# KiCad board sofle_nest.kicad_pcb (continued)
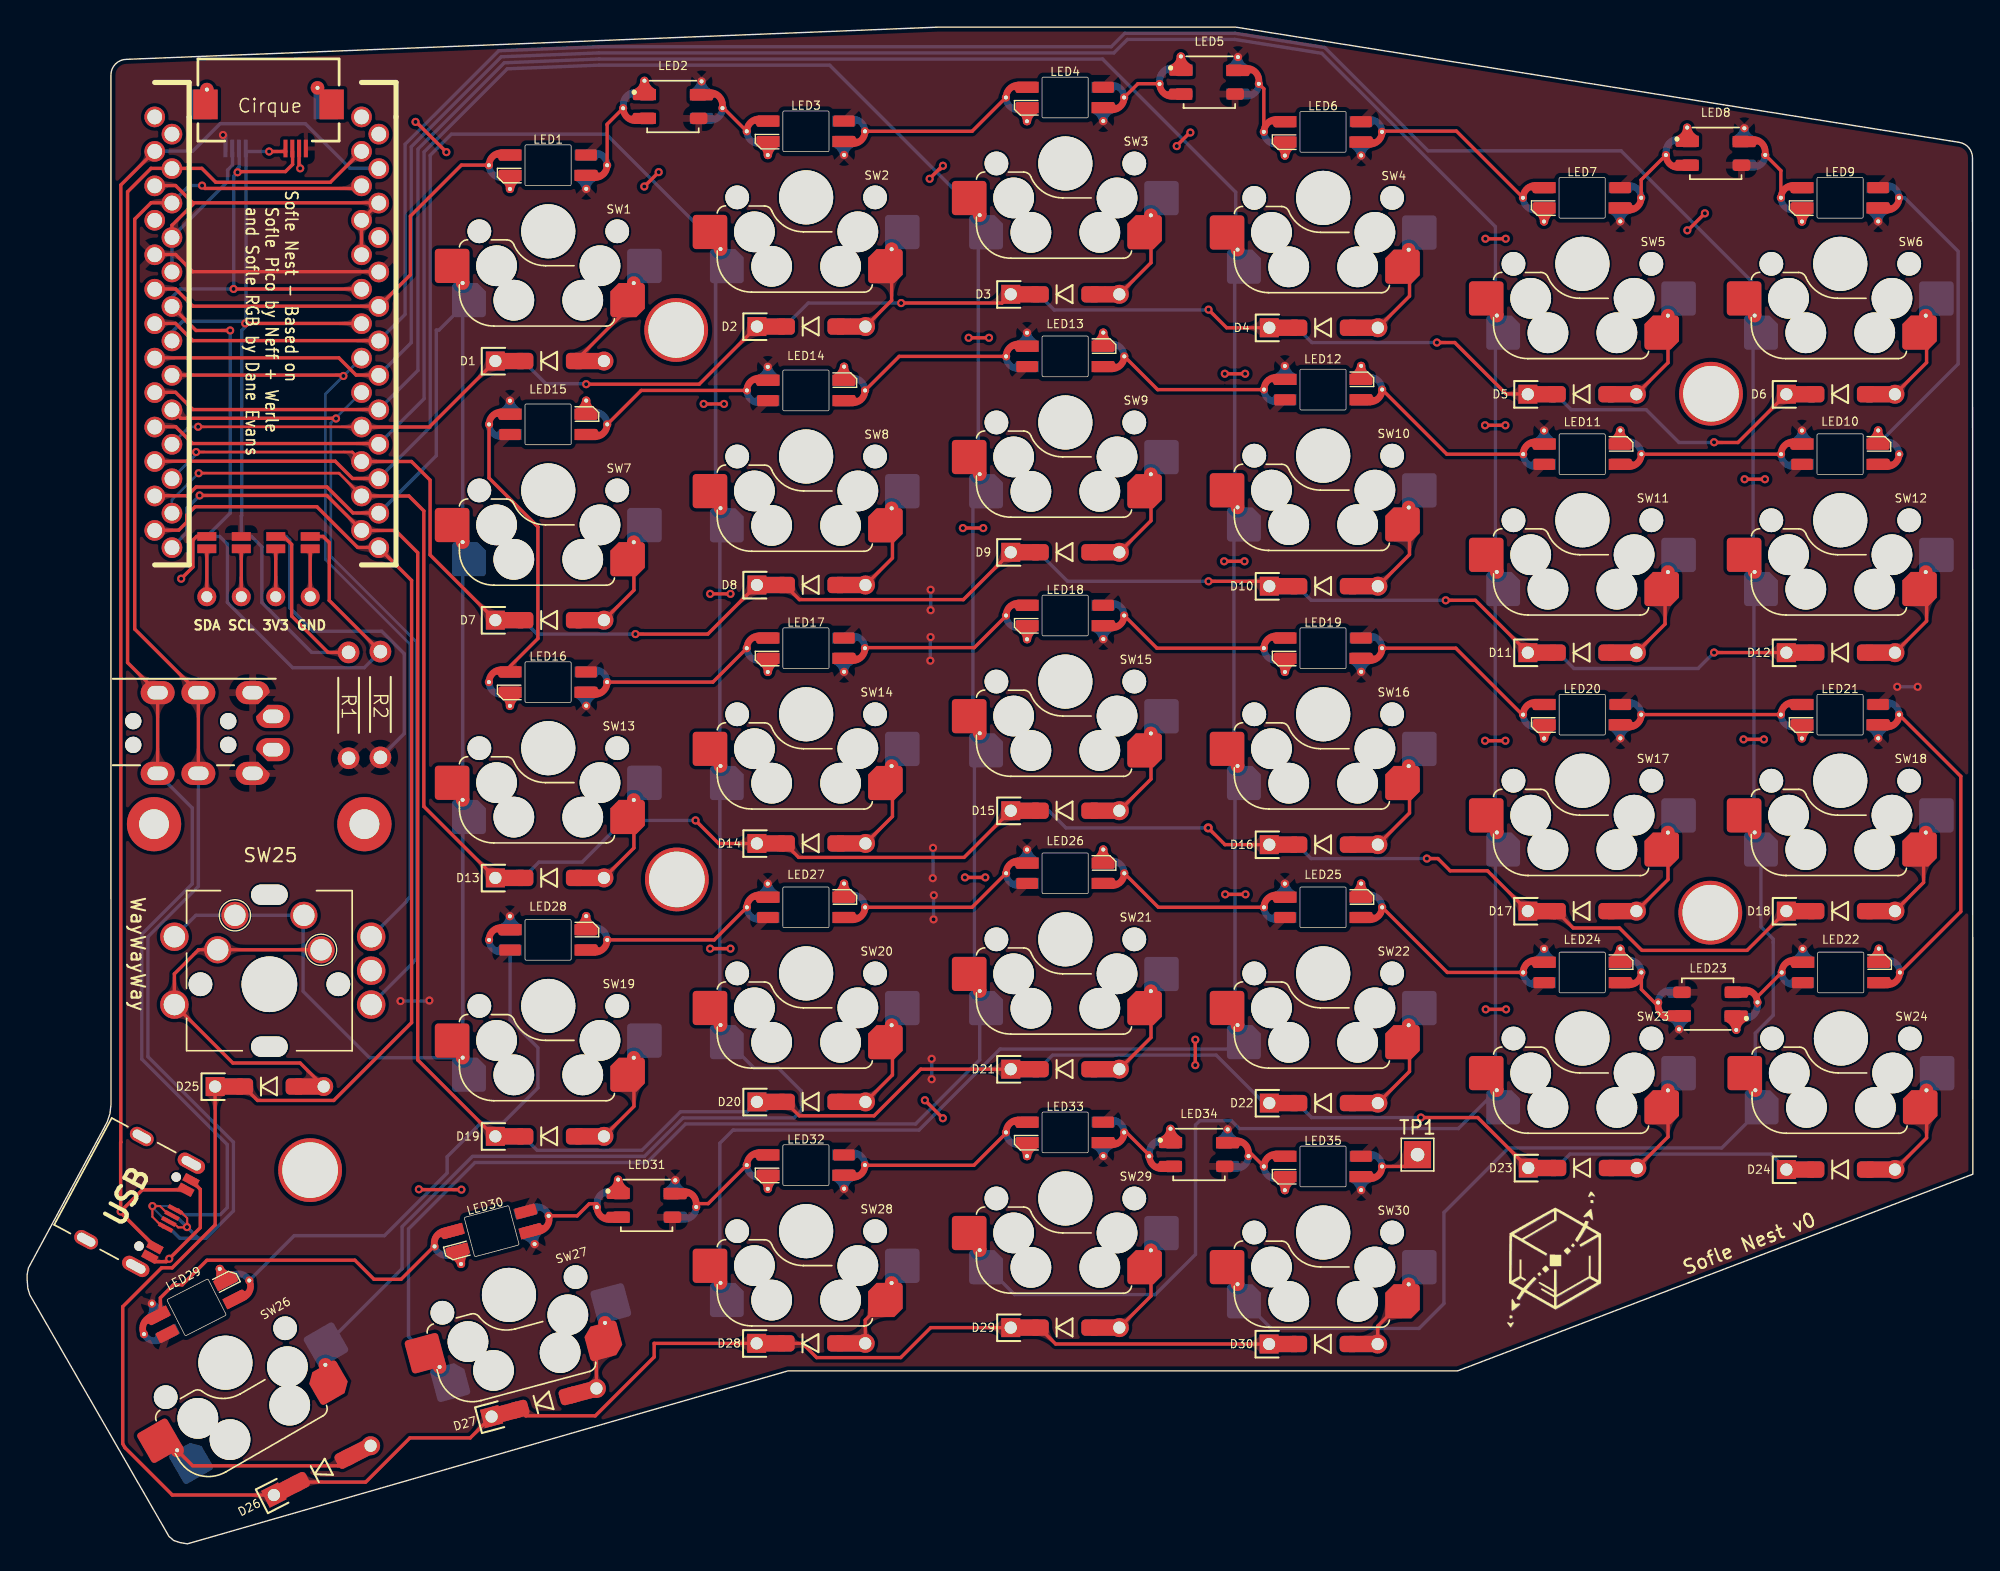
[diagram p0: board, top side]
## Footprints (pads in the part's own frame, mm; a bottom-side part is the same pattern mirrored in y, then rotated)
Cherry_MX_DS_Hotswap_v3.5.4
  round 1.75 hole 1.75 unplated: (-5.08,0) (5.08,0)
  round 3 hole 3 unplated: (-3.81,2.54) (-2.54,5.08) (2.54,5.08) (3.81,2.54)
  round 3.988 hole 3.988 unplated: (0,0)
  rrect 2.55x2.52 smd far side: 1(-7.085,2.55) 2(5.842,5.07)
  round 1 hole 0.3: 1(-6.31,3.81) 2(6.3,3.82)
  rrect 2.5x2.52 smd: 1(-5.842,5.07)
  rrect 2.55x2.53 smd: 2(7.085,2.555)
D_SOD-123_DO-35_Hybrid_DoubleSided_V2
  rect 1.4x1.4 hole 0.9: 1(-4,0)
  rect 1.6x1.2 smd far side: 1(-2.75,0)
  rect 1.6x1.2 smd: 1(-2.7,0)
  rrect 1.5x1.2 smd: 1(-1.95,0)
  rrect 1.4x1.2 smd far side: 1(-1.9,0) 2(1.9,0)
  rrect 1.4x1.2 smd: 2(1.9,0)
  rect 2.12x1.2 smd: 2(2.96,0)
  rect 2.14x1.2 smd far side: 2(2.97,0)
  round 1.4 hole 0.9: 2(4,0)
GCT_FFC2B35-12-G_REVA2
  rect 0.3x1.3 smd: 1(-2.75,3.25) 2(-2.25,3.25) 3(-1.75,3.25) 4(-1.25,3.25)
  rect 0.3x1.3 smd far side: 1(3.18,3.25) 2(2.68,3.25) 3(2.18,3.25) 4(1.68,3.25)
  rect 1.8x2.2 smd: SH1(-4.65,0) SH1(4.65,0)
  rect 1.8x2.2 smd far side: SH1(-4.22,0) SH1(5.08,0)
  round 1 hole 0.3: SH1(-4.115,-1.092) SH1(4.039,-1.219)
Hole from sofle for M2 posts gold rimmer
  round 4.7 hole 4.1: (0,0)
kb2040_compact
  round 1.524 hole 1.092: 1(-6.35,12.7) 1(7.62,13.97) 2(-6.35,10.16) 2(7.62,11.43) 3(-6.35,7.62) 3(7.62,8.89) 4(-6.35,5.08) 4(7.62,6.35) 5(-6.35,2.54) 5(7.62,3.81) 6(-6.35,0) 6(7.62,1.27) 7(-6.35,-2.54) 7(7.62,-1.27) 8(-6.35,-5.08) 8(7.62,-3.81) 9(-6.35,-7.62) 9(7.62,-6.35) 10(-6.35,-10.16) 10(7.62,-8.89) 11(-6.35,-12.7) 11(7.62,-11.43) 12(-6.35,-15.24) 12(7.62,-13.97) 13(-6.35,-17.78) 13(7.62,-16.51) 14(-7.62,13.97) 14(8.89,12.7) 15(-7.62,11.43) 15(8.89,10.16) 16(-7.62,8.89) 16(8.89,7.62) 17(-7.62,6.35) 17(8.89,5.08) 18(-7.62,3.81) 18(8.89,2.54) 19(-7.62,1.27) 19(8.89,0) 20(-7.62,-1.27) 20(8.89,-2.54) 21(-7.62,-3.81) 21(8.89,-5.08) 22(-7.62,-6.35) 22(8.89,-7.62) 23(-7.62,-8.89) 23(8.89,-10.16) 24(-7.62,-11.43) 24(8.89,-12.7) 25(-7.62,-13.97) 25(8.89,-15.24) 26(-7.62,-16.51) 26(8.89,-17.78)
M2_HOLE_PCB
  round 4 hole 2.2: (0,0)
MJ-4PP-9
  round 1.2 hole 1.2 unplated: (-1.75,-1.5) (-1.75,-8.5) (0,-1.5) (0,-8.5)
  rrect 1.7x2.5 hole 1x1.5: 1(-2.1,-11.8) 1(0.35,-11.8) 2(-3.85,-10.3) 2(2.1,-10.3)
  oval 1.7x2.5 hole 1x1.5: 3(-3.85,-6.3) 3(2.1,-6.3) 4(-3.85,-3.3) 4(2.1,-3.3)
OLED Header
  rect 1.397x0.635 smd far side: 1(-3.81,4.445) 2(-1.27,4.445) 3(1.27,4.445) 4(3.81,4.445) 5(3.81,3.531) 6(1.27,3.531) 7(-1.27,3.531) 8(-3.81,3.531)
  rect 1.397x0.635 smd: 1(3.81,4.445) 2(1.27,4.445) 3(-1.27,4.445) 4(-3.81,4.445) 5(3.81,3.531) 6(1.27,3.531) 7(-1.27,3.531) 8(-3.81,3.531)
  round 1.397 hole 0.813: 5(3.81,0) 6(1.27,0) 7(-1.27,0) 8(-3.81,0)
PHOENIX_1332645
  round 0.7 hole 0.7 unplated: (1.58,6.25) (7.36,6.25)
  rect 0.6x1.14 smd: A1_B12(1.27,7.32) A4_B9(2.07,7.32) B1_A12(7.67,7.32) B4_A9(6.87,7.32)
  rect 0.6x1.14 smd far side: A1_B12(7.67,7.32) A4_B9(6.87,7.32) B1_A12(1.27,7.32) B4_A9(2.07,7.32)
  rect 0.3x1.14 smd: A6(4.22,7.32) A7(4.72,7.32) B6(5.22,7.32) B7(3.72,7.32)
  rect 0.3x1.14 smd far side: A6(4.72,7.32) A7(4.22,7.32) B6(3.72,7.32) B7(5.22,7.32)
  oval 1.05x2.15 hole 0.65x1.55: SH1(0.15,6.75) SH3(8.79,6.75)
  oval 1.05x1.85 hole 0.65x1.45: SH2(0.15,2.6) SH4(8.79,2.6)
Pullup Resistor
  round 1.6 hole 1: 1(3.81,0) 2(-3.99,0)
RotaryEncoder_Alps_EC11E-Switch_Vertical_H20mm-keebio_modified_hotswap
  round 1.75 hole 1.75 unplated: (-5.08,1) (5.08,1)
  oval 2.7x1.5 hole 2.7x1.5 unplated: (0,5.6) (0,-5.6)
  round 4.1 hole 4.1 unplated: (0,1)
  round 2.1 hole 1.575: A(-7.5,2.5) B(-7.5,-2.5) C(-7.5,0) S1(7,-2.5) S2(7,2.5)
  round 2 hole 1.575: S1(-2.54,-4.08) S1(2.54,-4.08) S2(-3.81,-1.54) S2(3.81,-1.54)
SK6812_MINI
  round 0.6 hole 0.3: 1(-2.1,-1.9) 2(-3.67,0.13) 3(2.11,-1.85) 4(3.65,0.12)
  custom 1.7x1.71 smd far side: 1(-2.1,-0.88)
  rrect 1.3x0.85 smd far side: 1(-1.9,-0.875) 2(-1.9,0.875) 3(1.9,0.875) 4(1.9,-0.875)
  rrect 1.3x0.85 smd: 1(-1.9,0.875) 2(-1.9,-0.875) 3(1.9,-0.875) 4(1.9,0.875)
  custom 2.65x1.41 smd far side: 2(-2.11,0.88) 4(2.1,-0.86)
  custom 2.65x1.41 smd: 2(-2.1,-0.88) 4(2.1,0.87)
  custom 2.66x1.41 smd: 2(-2.1,-0.88)
  custom 1.7x1.71 smd: 3(2.1,-0.86)
SK6812_MINI-E
  custom 1.7x1.71 smd far side: 1(2.8,-0.75)
  rrect 1.6x0.82 smd far side: 1(2.8,-0.75) 2(2.8,0.75) 3(-2.8,0.75) 4(-2.8,-0.75)
  rrect 1.6x0.82 smd: 1(2.8,0.75) 2(2.8,-0.75) 3(-2.8,-0.75) 4(-2.8,0.75)
  round 0.6 hole 0.3: 1(2.81,-1.75) 2(4.36,0) 3(-2.81,-1.74) 4(-4.35,0)
  custom 2.65x1.41 smd: 2(2.8,-0.75) 4(-2.8,0.75)
  custom 2.65x1.41 smd far side: 2(2.8,0.75) 4(-2.8,-0.75)
  custom 1.7x1.71 smd: 3(-2.8,-0.75)
SK6812_MINI-E#2
  custom 1.7x1.71 smd far side: 1(2.8,-0.75)
  rrect 1.6x0.82 smd far side: 1(2.8,-0.75) 2(2.8,0.75) 3(-2.8,0.75) 4(-2.8,-0.75)
  rrect 1.6x0.82 smd: 1(2.8,0.75) 2(2.8,-0.75) 3(-2.8,-0.75) 4(-2.8,0.75)
  round 0.6 hole 0.3: 1(2.81,-1.75) 2(4.36,0) 3(-2.81,-1.74) 4(-4.35,0)
  custom 2.65x1.41 smd: 2(2.8,-0.75) 4(-2.8,0.75)
  custom 2.65x1.41 smd far side: 2(2.8,0.75) 4(-2.8,-0.75)
  custom 1.7x1.71 smd: 3(-2.8,-0.75)
TestPoint_THTPad_2.0x2.0mm_Drill1.0mm
  rect 2x2 hole 1: 1(0,0)

## Nets
GND: J1.1 J2.A1_B12 J2.B1_A12 J2.SH1 J2.SH2 J2.SH3 J2.SH4 J3.4 J4.2 J4.SH1 LED1.1 LED2.1 LED3.1 LED4.1 LED5.1 LED6.1 LED7.1 LED8.1 LED9.1 LED10.1 LED11.1 LED12.1 LED13.1 LED14.1 LED15.1 LED16.1 LED17.1 LED18.1 LED19.1 LED20.1 LED21.1 LED22.1 LED23.1 LED24.1 LED25.1 LED26.1 LED27.1 LED28.1 LED29.1 LED30.1 LED31.1 LED32.1 LED33.1 LED34.1 LED35.1 SW25.C U2.4 U2.5 U2.16
VBUS: J2.A4_B9 J2.B4_A9 U2.15
VCC: J1.2 J3.3 J4.1 LED1.3 LED2.3 LED3.3 LED4.3 LED5.3 LED6.3 LED7.3 LED8.3 LED9.3 LED10.3 LED11.3 LED12.3 LED13.3 LED14.3 LED15.3 LED16.3 LED17.3 LED18.3 LED19.3 LED20.3 LED21.3 LED22.3 LED23.3 LED24.3 LED25.3 LED26.3 LED27.3 LED28.3 LED29.3 LED30.3 LED31.3 LED32.3 LED33.3 LED34.3 LED35.3 R1.1 R2.1 U2.18
col0: SW6.1 SW12.1 SW18.1 SW24.1 SW30.1 U2.20
col1: SW5.1 SW11.1 SW17.1 SW23.1 SW29.1 U2.21
col2: SW4.1 SW10.1 SW16.1 SW22.1 SW28.1 U2.22
col3: SW3.1 SW9.1 SW15.1 SW21.1 SW27.1 U2.23
col4: SW2.1 SW8.1 SW14.1 SW20.1 SW26.2 U2.24
col5: SW1.1 SW7.1 SW13.1 SW19.1 SW25.S1 U2.25
ENCA: SW25.A U2.9
ENCB: SW25.B U2.8
LED: LED1.2 U2.19
row0: D1.1 D2.1 D3.1 D4.1 D5.1 D6.1 U2.10
row1: D7.1 D8.1 D9.1 D10.1 D11.1 D12.1 U2.11
row2: D13.1 D14.1 D15.1 D16.1 D17.1 D18.1 U2.12
row3: D19.1 D20.1 D21.1 D22.1 D23.1 D24.1 U2.13
row4: D25.1 D26.1 D27.1 D28.1 D29.1 D30.1 U2.26
RX: J1.3 J2.A7 J2.B7 U2.3
SCL: J3.2 J4.4 R1.2 U2.7
SDA: J3.1 J4.3 R2.2 U2.6
SW25B: D25.2 SW25.S2
TX: J1.4 J2.A6 J2.B6 U2.2
Net-(D1-A): D1.2 SW1.2
Net-(D2-A): D2.2 SW2.2
Net-(D3-A): D3.2 SW3.2
Net-(D4-A): D4.2 SW4.2
Net-(D5-A): D5.2 SW5.2
Net-(D6-A): D6.2 SW6.2
Net-(D7-A): D7.2 SW7.2
Net-(D8-A): D8.2 SW8.2
Net-(D9-A): D9.2 SW9.2
Net-(D10-A): D10.2 SW10.2
Net-(D11-A): D11.2 SW11.2
Net-(D12-A): D12.2 SW12.2
Net-(D13-A): D13.2 SW13.2
Net-(D14-A): D14.2 SW14.2
Net-(D15-A): D15.2 SW15.2
Net-(D16-A): D16.2 SW16.2
Net-(D17-A): D17.2 SW17.2
Net-(D18-A): D18.2 SW18.2
Net-(D19-A): D19.2 SW19.2
Net-(D20-A): D20.2 SW20.2
Net-(D21-A): D21.2 SW21.2
Net-(D22-A): D22.2 SW22.2
Net-(D23-A): D23.2 SW23.2
Net-(D24-A): D24.2 SW24.2
Net-(D26-A): D26.2 SW26.1
Net-(D27-A): D27.2 SW27.2
Net-(D28-A): D28.2 SW28.2
Net-(D29-A): D29.2 SW29.2
Net-(D30-A): D30.2 SW30.2
Net-(LED1-DOUT): LED1.4 LED2.2
Net-(LED2-DOUT): LED2.4 LED3.2
Net-(LED3-DOUT): LED3.4 LED4.2
Net-(LED4-DOUT): LED4.4 LED5.2
Net-(LED5-DOUT): LED5.4 LED6.2
Net-(LED6-DOUT): LED6.4 LED7.2
Net-(LED7-DOUT): LED7.4 LED8.2
Net-(LED8-DOUT): LED8.4 LED9.2
Net-(LED10-DIN): LED9.4 LED10.2
Net-(LED10-DOUT): LED10.4 LED11.2
Net-(LED11-DOUT): LED11.4 LED12.2
Net-(LED12-DOUT): LED12.4 LED13.2
Net-(LED13-DOUT): LED13.4 LED14.2
Net-(LED14-DOUT): LED14.4 LED15.2
Net-(LED15-DOUT): LED15.4 LED16.2
Net-(LED16-DOUT): LED16.4 LED17.2
Net-(LED17-DOUT): LED17.4 LED18.2
Net-(LED18-DOUT): LED18.4 LED19.2
Net-(LED19-DOUT): LED19.4 LED20.2
Net-(LED20-DOUT): LED20.4 LED21.2
Net-(LED21-DOUT): LED21.4 LED22.2
Net-(LED22-DOUT): LED22.4 LED23.2
Net-(LED23-DOUT): LED23.4 LED24.2
Net-(LED24-DOUT): LED24.4 LED25.2
Net-(LED25-DOUT): LED25.4 LED26.2
Net-(LED26-DOUT): LED26.4 LED27.2
Net-(LED27-DOUT): LED27.4 LED28.2
Net-(LED28-DOUT): LED28.4 LED29.2
Net-(LED29-DOUT): LED29.4 LED30.2
Net-(LED30-DOUT): LED30.4 LED31.2
Net-(LED31-DOUT): LED31.4 LED32.2
Net-(LED32-DOUT): LED32.4 LED33.2
Net-(LED33-DOUT): LED33.4 LED34.2
Net-(LED34-DOUT): LED34.4 LED35.2
Net-(LED35-DOUT): LED35.4 TP1.1

Pads without a net: J3 5 6 7 8; U2 1 14 17

## Via types
v1: diameter 0.6, hole 0.3, Top to Bottom, 91 vias
v2: diameter 0.67, hole 0.3, Top to Bottom, 1 via

## Routing (per net, layer and track width the routed paths; a pad name or vN(x,y) marks a point on that pad's centre or on a via; arc(x,y) is an arc through that point)
GND: length 88.7
  Top w0.15: 20.04,101.59 arc(20.06,101.48) v1(20.12,101.39)
  Top w0.25: v1(70.88,88.9) v1(69.38,88.9) ; v1(46.54,101.11) v1(45.47,100.05) ; v1(108.92,59.2) v1(107.42,59.2) ; v1(28.86,26.14) 28.89,26.11 v1(32,26.11) ; v1(123.62,98.08) 122.45,96.9 122.41,96.9 v1(122.33,96.82) ; v1(84.71,103.03) 84.71,103.06 85.68,104.03 v1(85.71,104.03) ; v1(89.75,86.25) v1(88.25,86.25) ; 10.67,96.31 10.67,97.19 12.21,98.73 12.21,98.85 ; 24.64,95.04 24.64,97.58 25.91,98.85 12.21,98.85 ; v1(28.62,104.81) 28.66,104.81 v1(30.89,102.58) 30.84,102.58 ; v1(108.97,39.4) v1(107.47,39.4) ; v1(126.47,59.3) v1(127.97,59.3) ; v1(66.5,100.62) 66.5,100.63 67.45,101.58 v1(67.48,101.58) 67.48,101.54 67.24,101.3 67.21,101.3 ; 9.22,21.02 9.44,20.8 10.25,20.8 v1(10.47,21.02) 12.76,23.31 12.76,26.11 12.76,26.12 arc(12.76,26.13) 12.75,26.14 12.11,26.78 ; J4.2 20.04,101.59 ; v1(67.47,31.38) v1(66.15,32.7) ; v1(51.82,70.03) v1(50.32,70.03) ; 12.21,98.85 10.94,100.12 9.4,100.12 ; v1(68.95,74.88) v1(70.45,74.88) ; v1(108.92,82.45) v1(107.42,82.45) ; v1(128.05,78.47) v1(126.55,78.47) ; v1(51.82,43.88) v1(50.32,43.88) ; v1(89.7,72.42) v1(88.2,72.42) ; v1(70.6,49.12) v1(69.1,49.12) ; v1(51.35,84.03) v1(49.85,84.03) ; v1(108.95,96.2) v1(107.45,96.2) ; J3.4 12.49,74.26 12.21,73.99 12.21,72 v1(11.35,71.14) ; v1(86.07,35.29) v1(86.07,37.16) ; v1(89.78,47.88) v1(88.28,47.88)
  Bottom w0.25: 15.13,102.63 15.13,101.63 14.77,101.27 14.77,100.41 10.67,96.31 10.67,93.77
VBUS: length 116.2
  Top w0.25: v1(6.89,24.5) 6.89,24.43 9.42,21.9 ; v1(6.89,24.5) 8.49,26.1 11.69,26.1 ; v1(6.89,24.5) 6.89,29.59 6.9,29.6 6.9,100.16 9.4,102.66
  Bottom w0.25: 9.4,102.66 12.2,102.66 14.22,104.68 20.5,104.68 23.79,101.39 25.91,101.39 ; 11.72,26.1 8.49,26.1 v1(6.89,24.5) 6.89,24.43 9.44,21.88
VCC: length 55.2
  Top w0.25: 25.91,93.77 12.21,93.77 10.94,95.04 9.4,95.04
  Bottom w0.25: v1(66.57,70.33) v1(66.57,68.82) ; v1(66.75,51.3) 66.75,49.09 v1(66.73,49.07) ; R2.1 27.79,59.73 27.79,65.61 26.12,67.27 21.08,67.27 19.34,69.01 19.34,73.99 19.07,74.26 J3.3 ; v1(137.8,63.17) v1(139.3,63.17) ; v1(66.79,46.03) 66.79,47.79 v1(66.81,47.81) ; 14.63,102.63 14.63,103.83 14.61,103.85 v1(14.43,103.85) ; v1(66.65,34.25) v1(66.65,35.75) ; v1(66.57,66.84) 66.55,66.82 v1(66.55,65.1) ; v1(27.51,40.01) 29.6,40.01 v1(29.64,40.05)
col0: length 248.1
  Top w0.25: 25.91,88.69 12.21,88.69 10.94,89.96 9.4,89.96
  Bottom w0.25: SW18.1 127.76,45.48 128.66,44.58 128.66,44.36 128.66,44.36 128.66,38.97 127.34,37.65 SW24.1 ; SW30.1 91.66,15.88 102.56,15.88 104.4,17.72 104.4,24.43 109.15,29.18 124.86,29.18 127.34,31.66 127.34,33.39 ; 127.34,90.54 127.34,92.79 117.45,102.68 103.23,102.68 95.62,110.29 89.02,111.34 80.87,111.34 79.88,110.35 42.12,110.35 34.74,110.06 27.85,103.16 27.85,90.63 25.91,88.69 ; 127.18,88.65 127.18,71.65 ; 127.24,69.66 127.24,52.54
col1: length 237.1
  Top w0.25: 25.91,86.15 24.24,86.15 22.97,87.42 9.4,87.42
  Bottom w0.25: 25.91,86.15 28.3,88.54 28.3,102.97 34.94,109.61 42.13,109.9 80.08,109.9 81.07,110.89 88.99,110.89 95.4,109.87 108.19,97.08 108.19,90.64 ; SW23.1 105.46,30.61 89.31,30.61 88.73,31.19 86.4,31.19 86.09,30.88 86.09,21.34 83.12,18.38 72.76,18.38 70.66,20.48 ; 108.19,90.44 108.19,71.59 ; 108.17,71.38 108.17,52.56 ; 108.19,52.34 108.19,33.49
col2: length 215.7
  Top w0.25: 9.4,84.88 10.94,84.88 12.21,83.61 25.91,83.61
  Bottom w0.25: 25.91,83.61 28.8,86.5 28.8,102.81 35.16,109.17 42.14,109.45 79.24,109.45 89.05,99.64 89.05,95.63 ; 88.91,36.47 71.69,36.47 65.71,30.5 52.01,30.5 51.04,29.53 51.04,19.34 ; 89.24,57.34 88.92,57.66 88.92,76.08 89.24,76.39 ; 89,38.53 89,57.1 ; 88.97,76.66 88.97,95.17
col3: length 209.6
  Top w0.25: 9.4,82.34 10.96,82.34 12.19,81.11 25.87,81.11
  Bottom w0.25: SW3.1 59.13,109 42.15,109 35.38,108.73 29.25,102.6 29.25,84.41 25.91,81.07 ; 30.34,13.04 28.1,15.28 28.1,23.21 33,28.11 45.67,28.11 48.51,30.95 65.46,30.95 70.19,35.68 70.19,40.79 ; 70.19,78.89 69.69,78.39 69.69,60.34 70.19,59.84 69.8,59.45 69.8,40.13 ; 70.09,78.99 70.09,97.84
col4: length 197.5
  Top w0.25: 9.4,79.8 22.7,79.8 23.97,78.53 25.91,78.53
  Bottom w0.25: 51.61,37.03 53.57,35.06 55.36,35.06 57.05,33.38 57.05,31.95 56.5,31.4 48.32,31.4 45.49,28.56 32.81,28.56 27.63,23.38 27.63,20.29 SW26.2 ; 51.04,37.34 51.04,57.24 ; 50.72,76.71 50.72,95.07 SW2.1 ; 50.72,76.71 50.72,93.35 ; 50.72,76.71 SW8.1 ; 51.14,38.29 51.14,36.72 ; 50.62,94.92 51.14,95.44 42.67,103.91 31.26,103.91 29.7,102.35 29.7,82.32 25.91,78.53 ; 51.04,57.44 51.04,76.29
col5: length 143.6
  Top w0.25: 25.91,75.99 24.01,75.99 22.09,77.91 12.45,77.91 11.8,77.26 9.42,77.26 ; 30.82,94.21 SW1.1
  Bottom w0.25: SW13.1 SW19.1 ; SW13.1 SW7.1 SW1.1 ; SW13.1 32.09,35.83 25.23,35.83 20.33,40.73 20.33,46.27 ; SW25.S1 12.43,46.33 SW25.S1 SW25.S1 ; U2.25 30.15,80.21 30.15,89.47 30.35,89.47 SW1.1
ENCA: length 62.4
  Top w0.25: 10.67,83.61 11.31,82.97 22.74,82.97 v1(22.76,82.95)
  Bottom w0.2: 28.69,66.48 22.37,72.79 22.37,82.61 24.64,84.88
  Bottom w0.25: 28.43,42.87 28.69,43.13 28.69,66.48 ; SW25.A 28.43,42.83
ENCB: length 60.1
  Top w0.25: 10.67,86.15 23.24,86.15 23.26,86.13
  Bottom w0.2: 24.64,87.42 v1(23.3,86.09) 21.97,84.75 21.97,72.56 28.24,66.29
  Bottom w0.25: 28.24,66.29 28.24,47.71 27.98,47.45 ; SW25.B 27.97,47.37
LED: length 32
  Top w0.25: 9.4,92.5 10.94,92.5 12.21,91.23 25.91,91.23 ; U2.19 28.24,93.54 28.24,97.87 32,101.63 34.02,101.63
row0: length 120.7
  Top w0.2: 24.64,82.34 v1(12.6,82.34)
  Top w0.25: D3.1 71.83,91.46 v1(64.4,91.46) ; D1.1 29.63,82.32 U2.10 ; v1(103.88,88.55) 105.19,88.55 108.98,84.76 110.56,84.76 ; v1(124.3,81.2) 124.32,81.18 126.06,81.18 129.62,84.74 ; v1(41.19,85.48) 49.52,85.48 D2.1 ; D4.1 88.38,89.64 v1(87.05,90.97)
  Bottom w0.2: 10.67,81.07 11.94,82.34 v1(12.6,82.34)
  Bottom w0.25: v1(87.05,90.97) 87.03,90.95 75.68,90.95 D3.1 ; D5.1 113.77,83.6 119.3,83.6 121.72,81.18 124.28,81.18 v1(124.3,81.2) ; D1.1 38.22,85.52 41.15,85.52 v1(41.19,85.48) ; v1(103.88,88.55) 94.67,88.55 D4.1 ; v1(64.4,91.46) 57.55,91.46 D2.1
row1: length 127.4
  Top w0.2: v1(12.45,80.48) 23.96,80.48 24.64,79.8
  Top w0.25: D9.1 68.99,69.6 56.9,69.6 D8.1 ; v1(44.82,67.06) 50.16,67.06 D8.1 ; D11.1 106.72,69.55 v1(104.53,69.55) ; U2.11 28.32,79.78 29.69,78.41 29.69,72.9 D7.1 ; v1(124.3,65.7) 129.62,65.7 ; v1(87.05,70.95) 91.17,70.95
  Bottom w0.2: 10.67,78.53 12.45,80.31 v1(12.45,80.48)
  Bottom w0.25: D10.1 94.62,69.55 v1(104.53,69.55) ; v1(44.82,67.06) 37.58,67.06 D7.1 ; D11.1 112.81,65.69 113.97,64.53 123.12,64.53 v1(124.3,65.7) ; D9.1 76.67,70.95 v1(87.05,70.95)
row2: length 145.3
  Top w0.2: v1(12.64,78.92) 22.98,78.92 24.64,77.26
  Top w0.25: D16.1 88.26,51.54 v2(87.03,52.78) ; U2.12 28.13,77.24 29.23,76.14 29.23,54.36 D13.1 ; D18.1 126.74,43.75 118.98,43.75 117.33,45.4 113.92,45.4 D17.1 ; D17.1 107.6,49.61 104.85,49.61 103.95,50.51 v1(103.14,50.51) ; D15.1 69.04,50.6 56.85,50.6 D14.1 ; v1(49.25,53.33) 50.95,51.62 53.77,51.62
  Bottom w0.2: 10.67,75.99 10.67,76.95 v1(12.64,78.92)
  Bottom w0.25: D15.1 75.28,54.04 76.54,52.78 v2(87.03,52.78) ; D13.1 37.71,50.25 40.9,50.25 43.97,53.33 v1(49.25,53.33) ; v1(103.14,50.51) 94.6,50.51 D16.1
row3: length 162.4
  Top w0.25: v1(12.71,77.28) 22.08,77.28 24.64,74.72 ; D23.1 106.89,31.42 v1(102.7,31.42) ; 34.41,30.04 28.78,35.67 28.78,73.06 27.14,74.7 U2.13 ; D20.1 56.9,31.55 62.4,31.55 65.84,34.99 D21.1
  Bottom w0.25: D19.1 37.57,29.01 45.3,29.01 48.14,31.85 53.04,31.85 D20.1 ; v1(102.7,31.42) 94.64,31.42 D22.1 ; 10.67,73.45 11.76,74.54 11.76,76.33 v1(12.71,77.28) ; D20.1 54.44,31.95 ; D23.1 113.69,28.73 128.49,28.73 D24.1 ; D21.1 75.56,36.03 87.61,36.03 91.15,32.49 ; 36.49,30.04 D19.1
row4: length 184
  Top w0.25: D25.1 16.98,32.68 22.59,32.68 28.33,38.42 28.33,71.01 U2.26 ; 25.91,73.45 24.35,73.45 21.35,76.45 12.38,76.45 11.76,75.83 11.76,75.31 11.17,74.72 9.4,74.72 ; D27.1 36.74,9.44 41.87,9.44 46.2,13.77 46.2,14.78 53.32,14.78 ; D26.1 10.7,3.6 7.21,7.09 7.04,7.39 7.04,17.48 9.91,20.35 10.69,20.35 13.85,23.51 D25.1 ; D29.1 75.79,14.73 D30.1 ; D28.1 57.13,14.78 58.18,13.73 64.37,13.73 66.58,15.94 D29.1 ; D26.1 24.94,4.55 28.2,7.81 32.65,7.81 D27.1
RX: length 107
  Top w0.15: 11.76,23.33 11.13,23.33 10.97,23.48 ; J2.B7 11.16,24.65 11.79,24.02 11.79,23.36 v1(11.78,23.35)
  Top w0.25: 24.43,99.91 13.1,99.91 v1(12.89,100.12) ; v1(11.78,23.35) 11.76,23.33 ; J1.3 J1.3 7.93,67.43 7.93,97.64 9.13,98.85 10.67,98.85
  Bottom w0.25: v1(12.89,100.12) 11.94,100.12 10.67,98.85 ; 11.21,23.92 v1(11.78,23.35) 12.61,22.52 ; 12.61,22.52 11.25,22.52 10.73,23.04 ; 12.61,22.52 13.18,22.52 15.2,24.54 15.2,29.61 8.9,35.91 8.9,44.74 12.62,48.46 J1.3
SCL: length 72.3
  Top w0.25: R1.2 22.17,65.71 19.49,68.39 19.49,73.67 18.9,74.26 J3.2 ; 24.64,89.96 v1(16.07,89.96) ; v1(17.83,102.63) 19.06,102.63
  Bottom w0.25: 10.67,88.69 10.67,89.33 11.45,90.11 15.92,90.11 v1(16.07,89.96) ; v1(16.07,89.96) 16.07,89.7 15.81,89.44 15.81,75.81 15.78,75.77 J3.2 16.53,74.26 17.29,73.5 17.29,69.39 20.97,65.71 R1.2 ; v1(16.07,89.96) 16.13,90.02 16.13,102.63 v1(17.83,102.63)
SDA: length 82.3
  Top w0.25: 24.64,92.5 v1(15.21,92.5) ; U2.6 12.44,89.44 v1(14.96,89.44) ; 19.56,102.63 19.56,101.68 19.03,101.15 15.55,101.15 v1(15.5,101.1) ; J3.1 21.81,74.26 22.26,73.81 22.26,69.54 R2.2
  Bottom w0.25: v1(14.96,89.44) 14.96,75.98 J3.1 14.19,74.26 14.75,73.69 14.75,69.39 19.56,64.58 24.84,64.58 R2.2 ; 10.67,91.23 10.67,91.88 11.29,92.5 v1(15.21,92.5) 15.22,92.51 15.22,100.81 v1(15.5,101.1) 15.5,101.37 15.63,101.49 15.63,102.63
SW25B: length 27.3
  Top w0.25: SW25.S2 SW25.S2 12.63,43.79 10.85,42.01 SW25.S2 15.16,35.44 20.12,35.44 D25.2
TX: length 110.1
  Top w0.15: 10.19,24.5 9.79,24.9 v1(9.23,24.9) 9.23,24.11 10.01,23.33 J2.B6
  Top w0.25: 24.64,102.66 22.34,100.36 13.9,100.36 12.87,101.39 9.13,101.39 7.4,99.66 7.4,64.96 J1.4 J1.4
  Bottom w0.15: 10.05,24 9.23,24.82 v1(9.23,24.9) 10.44,24.9 10.59,24.75
  Bottom w0.25: 9.39,24.94 9.23,24.78 9.23,24.78 v1(9.23,24.9) ; 11.44,24.36 11.54,24.27 14.23,24.27 14.75,24.79 14.75,29.43 8.45,35.73 8.45,44.93 12.17,48.65 12.17,54.24 J1.4
Net-(D1-A): length 7.5
  Top w0.25: SW1.2 44.7,91.49 D1.2
Net-(D2-A): length 6.5
  Top w0.25: SW2.2 63.7,91.66 D2.2
Net-(D3-A): length 6.8
  Top w0.25: 82.81,97.94 82.81,94.44 D3.2
Net-(D4-A): length 6.8
  Top w0.25: 101.86,95.44 101.86,91.97 D4.2
Net-(D5-A): length 6.8
  Top w0.25: D5.2 120.91,87.07 120.91,90.54
Net-(D6-A): length 6.8
  Top w0.25: 139.96,90.54 139.96,87.07 D6.2
Net-(D7-A): length 6.7
  Top w0.25: 44.71,73.89 44.71,70.3 D7.2
Net-(D8-A): length 6.5
  Top w0.25: 63.76,76.39 63.76,72.67 D8.2
Net-(D9-A): length 6.8
  Top w0.25: D9.2 82.81,75.42 82.81,78.89
Net-(D10-A): length 6.8
  Top w0.25: 101.86,76.39 101.86,72.92 D10.2
Net-(D11-A): length 5.4
  Top w0.25: 120.69,70.22 120.69,67.8 D11.2
Net-(D12-A): length 6.8
  Top w0.25: D12.2 139.96,68.02 139.96,71.49
Net-(D13-A): length 6.7
  Top w0.25: 44.71,54.84 44.71,51.3 D13.2
Net-(D14-A): length 6.5
  Top w0.25: D14.2 63.76,53.62 63.76,57.34
Net-(D15-A): length 6.8
  Top w0.25: 82.81,59.84 82.81,56.37 D15.2
Net-(D16-A): length 6.8
  Top w0.25: 101.86,57.34 101.86,53.87 D16.2
Net-(D17-A): length 6.8
  Top w0.25: D17.2 120.91,48.97 120.91,52.44
Net-(D18-A): length 5.4
  Top w0.25: D18.2 139.74,48.75 139.74,51.17
Net-(D19-A): length 6.7
  Top w0.25: D19.2 44.71,32.25 44.71,35.79
Net-(D20-A): length 6.5
  Top w0.25: D20.2 63.76,34.57 63.76,38.29
Net-(D21-A): length 6.8
  Top w0.25: D21.2 82.81,37.32 82.81,40.79
Net-(D22-A): length 6.8
  Top w0.25: 101.86,38.29 101.86,34.82 D22.2
Net-(D23-A): length 6.6
  Top w0.25: 120.91,33.39 120.91,30 D23.2
Net-(D24-A): length 6.8
  Top w0.25: 139.96,33.39 139.96,29.92 D24.2
Net-(D26-A): length 13.1
  Top w0.25: D26.2 22.92,5.76 12.19,5.76 SW26.1
Net-(D27-A): length 3.7
  Top w0.25: D27.2 41.95,14.45
  Bottom w0.25: 42.02,15.79 42.52,16.29
Net-(D28-A): length 4.5
  Top w0.25: 63.75,18.5 63.75,19.23 ; SW28.2 61.75,16.49 D28.2
Net-(D29-A): length 6.8
  Top w0.25: D29.2 82.81,18.27 82.81,21.74
Net-(D30-A): length 5.8
  Top w0.25: SW30.2 99.51,16.05 D30.2 ; 101.86,19.24 101.86,17.35
Net-(LED1-DOUT): length 4.7
  Top w0.25: 43.91,105.82 42.74,104.64 LED1.4
Net-(LED2-DOUT): length 2.5
  Top w0.25: LED3.2 51.32,105.83 51.23,105.83
Net-(LED3-DOUT): length 11.4
  Top w0.25: LED3.4 69.63,104.12 LED4.2
Net-(LED4-DOUT): length 3
  Top w0.25: LED4.4 81.85,107.63 83.42,107.63 LED5.2
Net-(LED5-DOUT): length 3.7
  Top w0.25: LED6.2 91.12,107.26 90.75,107.63
Net-(LED6-DOUT): length 12.4
  Top w0.25: 110.22,99.23 105.32,104.13 99.89,104.13
Net-(LED7-DOUT): length 3.9
  Top w0.25: LED7.4 118.93,100.54 LED8.2
Net-(LED8-DOUT): length 3.6
  Top w0.25: LED9.2 129.22,101.22 LED8.4
Net-(LED10-DIN): length 22.6
  Bottom w0.25: LED10.2 142.29,86.97 142.29,95.27 138.34,99.22 LED9.4
Net-(LED10-DOUT): length 10
  Top w0.25: 129.19,80.32 119.21,80.32
Net-(LED11-DOUT): length 12.4
  Top w0.25: LED11.4 104.6,80.32 LED12.2
Net-(LED12-DOUT): length 11.3
  Top w0.25: LED12.4 83.29,85.08 LED13.2
Net-(LED13-DOUT): length 11.4
  Top w0.25: LED14.2 64.25,87.53 LED13.4
Net-(LED14-DOUT): length 11.3
  Top w0.25: LED15.2 45.24,85.02 LED14.4
Net-(LED15-DOUT): length 20.2
  Top w0.25: LED15.4 34.03,78.56 37.64,74.96 37.64,66.73 35.59,64.68
Net-(LED16-DOUT): length 11.2
  Top w0.25: 52.92,65.92 50.52,63.52 LED16.4
Net-(LED17-DOUT): length 11.3
  Top w0.25: 61.77,66.06 69.79,66.06 72.13,68.4
Net-(LED18-DOUT): length 11.3
  Top w0.25: LED19.2 83.25,66.02 LED18.4
Net-(LED19-DOUT): length 12.4
  Top w0.25: 110.17,61.12 105.27,66.02 LED19.4
Net-(LED20-DOUT): length 10.3
  Top w0.25: 118.95,61.13 129.21,61.13
Net-(LED21-DOUT): length 22.7
  Top w0.25: LED21.4 142.48,56.57 142.48,46.61 LED22.2
Net-(LED22-DOUT): length 3.2
  Top w0.25: 127.48,39.66 127.48,40.32 LED22.4
Net-(LED23-DOUT): length 3
  Top w0.25: LED24.2 118.94,40.87 120.16,39.65
Net-(LED24-DOUT): length 12.4
  Top w0.25: LED24.4 104.64,42.12 LED25.2
Net-(LED25-DOUT): length 11.3
  Top w0.25: LED25.4 83.36,46.92 LED26.2
Net-(LED26-DOUT): length 11.4
  Top w0.25: LED26.4 69.63,46.92 LED27.2
Net-(LED27-DOUT): length 11.3
  Top w0.25: LED28.2 50.63,44.52 LED27.4
Net-(LED28-DOUT): length 38.9
  Bottom w0.25: LED29.2 19.68,22.72 26.33,22.72 30.95,27.34 30.95,28.54 33.47,31.06 35.09,31.06 37.64,33.61 37.64,36.58 35.58,38.63 LED28.4
Net-(LED29-DOUT): length 24.3
  Top w0.25: LED29.4 9.82,17 9.82,18.13 10.78,19.09 11.43,19.09 13.25,20.91 24.15,20.91 25.56,19.5 27.55,19.5 29.98,21.93
Net-(LED30-DOUT): length 3.9
  Top w0.25: 38.44,24.18 40.53,24.18 41.42,25.07 42,25.07
Net-(LED31-DOUT): length 4.8
  Top w0.25: 49.32,25.08 50.18,25.08 52.98,27.88
Net-(LED32-DOUT): length 11.4
  Top w0.25: 61.76,27.91 69.76,27.91 72.13,30.27
Net-(LED33-DOUT): length 2.3
  Top w0.25: 81,30.33 82.51,28.82 82.7,28.82
Net-(LED34-DOUT): length 1.4
  Top w0.25: 90.12,28.83 91.13,27.82
Net-(LED35-DOUT): length 1.7
  Top w0.25: 99.84,27.82 101.58,27.82
unconnected-(J3-Pin_1-Pad5): length 7.1
  Top w0.25: J3.5 J3.5
  Bottom w0.25: J3.5 J3.5
unconnected-(J3-Pin_2-Pad6): length 7.1
  Top w0.25: J3.6 J3.6
  Bottom w0.25: J3.6 J3.6
unconnected-(J3-Pin_3-Pad7): length 7.1
  Top w0.25: J3.7 J3.7
  Bottom w0.25: J3.7 J3.7
unconnected-(J3-Pin_4-Pad8): length 7.1
  Top w0.25: J3.8 J3.8
  Bottom w0.25: J3.8 J3.8

## Copper pours and planes (outline as drawn; the poured copper is in the pictures)
GND on Bottom: 143.07,102.92 142.93,103.06 142.76,103.17 142.58,103.26 142.38,103.31 89.06,111.8 67.11,111.8 7.33,109.43 7.1,109.4 6.88,109.34 6.68,109.23 6.51,109.09 6.37,108.92 6.27,108.72 6.2,108.51 6.18,108.27 6.18,32.35 6.1,31.7 5.9,31.1 0.1,20.35 0,19.85 0,19.45 0.05,18.85 0.2,18.35 10.45,0.55 10.8,0.25 11.25,0.1 11.8,0 56.06,12.75 105.4,12.75 143.37,27.25 143.35,102.17 143.33,102.38 143.27,102.57 143.19,102.75
VCC on Top: 123.09,19.42 143.33,27.04 143.3,101.96 143.28,102.17 143.23,102.36 143.14,102.54 143.03,102.7 142.89,102.84 142.72,102.96 142.54,103.04 142.34,103.09 88.81,111.54 66.86,111.54 7.29,109.21 7.05,109.19 6.84,109.12 6.64,109.02 6.47,108.88 6.33,108.71 6.22,108.51 6.16,108.29 6.13,108.06 6.14,32.14 6.06,31.49 5.86,30.89 0.06,20.14 -0.04,19.64 -0.04,19.24 0.01,18.64 0.16,18.14 10.41,0.34 10.76,0.04 11.21,-0.11 11.76,-0.21 56.01,12.54 106.18,12.68

Small or netless copper shapes (teardrops, artwork), in the pictures only: 299 on Top, 229 on Bottom

## Text on the board
B.Silkscreen: Sofle Nest v0 | JLCJLCJLCJLC
User.Eco1: s26 | s27 | s1 | s7 | s13 | s19 | s2 | s14 | s20 | s28 | s8 | s21 | s3 | s15 | s9 | s29 | s16 | s22 | s30 | s4 | s10 | s11 | s5 | s17 | s23 | s12 | s6 | s18 | s24
F.Silkscreen: Sofle Nest - Based on / Sofle Pico by Neff + Werle / and Sofle RGB by Dane Evans | Sofle Nest v0 | WayWayWay
